# Altium PCB as_x31.PcbDoc (part 6 of 8) (continued)
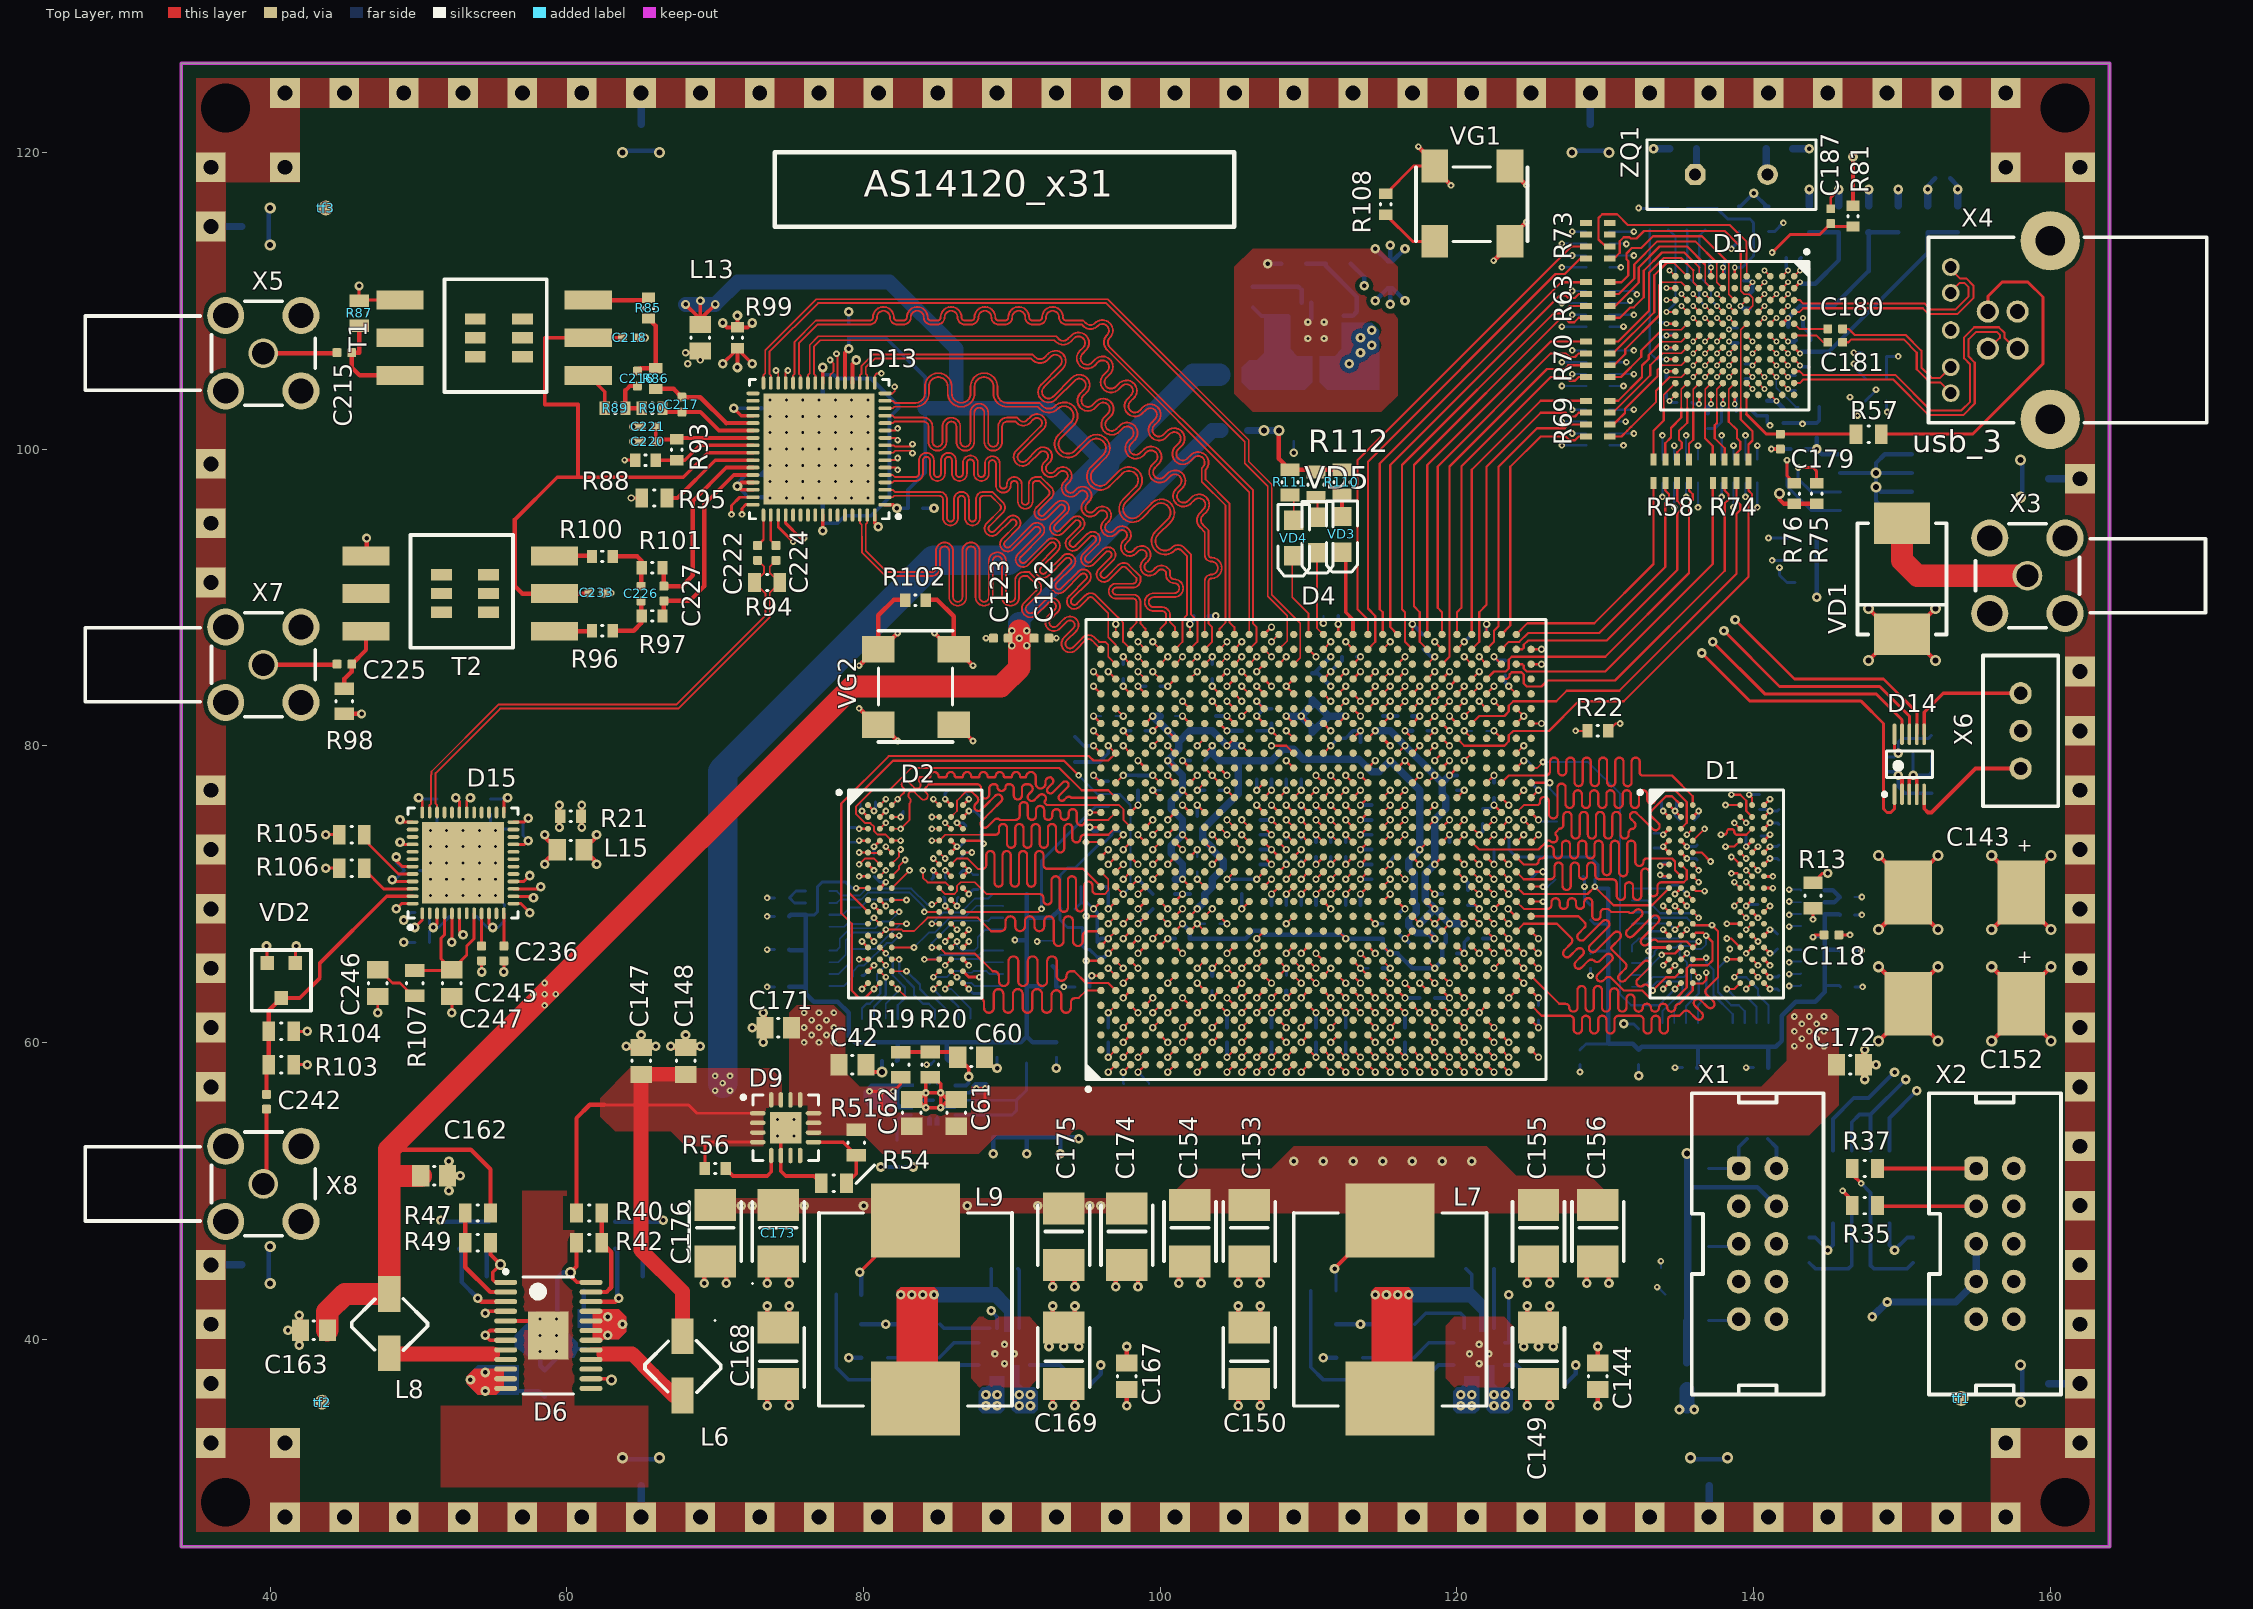
[diagram p0: Top Layer view]
## Nets (pads, with @x,y where several pads share a name; then routed paths per layer and width w, separated by ;. In a path a pad name is that pad's centre, name@x,y a point inside that pad or via, vN(x,y) a via of type N, cw(c..) or ccw(c..) an arc to the next point about the centre after c; other vN are vias at no path point) (continued)
DDR1_DQ2: D2.F2 D4.C11 | length 24.5
  Top Layer w0.125: v2(79.7,72) 80.1,72.4 80.7,72.4 D2.F2@81.1,72
  Top Layer w0.15: v1(97.5,68) D4.C11@98,68.5
  int_1 w0.125: v2(79.7,72) 80.442,71.258 cw(c80.221,71.037) 80.442,70.816 80.177,70.551 ccw(c80.398,70.33) 80.177,70.109 ccw(c80.398,70.33) 80.619,70.109 80.884,70.374 cw(c81.105,70.153) 81.326,70.374 81.547,70.153 ; 87.462,70.437 86.737,70.437 86.4,70.1 82.588,70.1 82.588,70.09 cw(c82.275,70.09) 82.275,69.777 cw(c82.275,70.09) 81.963,70.09 81.963,70.1 81.6,70.1 ; 93.9,68.8 94.7,68 95.5,68 96,68.5 97,68.5 v1(97.5,68) ; 81.547,70.153 81.6,70.1 ; 81.547,70.153 81.6,70.1
  int_1 w0.15: 87.462,70.437 88,69.9
  int_1 w0.2: 88,69.9 92.8,69.9 93.9,68.8
DDR1_DQ3: D2.F8 D4.A13 | length 26
  Top Layer w0.125: D2.F8@85.9,72 86.288,72.388 87.012,72.388 87.7,71.7 88,71.7
  Top Layer w0.15: 88,71.7 ccw(c88,71.975) 88.275,71.975 88.275,72.625 cw(c88.55,72.625) 88.55,72.9 cw(c88.55,72.625) 88.825,72.625 88.825,70.775 ccw(c89.1,70.775) 89.1,70.5 ccw(c89.1,70.775) 89.375,70.775 89.375,72.625 cw(c89.65,72.625) 89.65,72.9 cw(c89.65,72.625) 89.925,72.625 89.925,70.775 ccw(c90.2,70.775) 90.2,70.5 ccw(c90.2,70.775) 90.475,70.775 90.475,72.625 cw(c90.75,72.625) 90.75,72.9 cw(c90.75,72.625) 91.025,72.625 91.025,70.775 ccw(c91.3,70.775) 91.3,70.5 ccw(c91.3,70.775) 91.575,70.775 91.575,72.625 cw(c91.85,72.625) 91.85,72.9 cw(c91.85,72.625) 92.125,72.625 92.125,71.975 ccw(c92.4,71.975) 92.4,71.7 94.8,71.7 D4.A13@96,70.5
DDR1_DQ4: D2.H3 D4.D17 | length 24.8
  Top Layer w0.125: D2.H3@81.9,70.4 v2(83.1,71.6)
  Top Layer w0.15: D4.D17@99,74.5 v1(99.5,75)
  int_1 w0.125: v2(83.1,71.6) 83.575,72.075 83.575,75.975 83.6,76
  int_1 w0.15: 83.6,76 85.4,77.8 ; 97,76.8 98.3,75.5 99,75.5 v1(99.5,75)
  int_1 w0.2: 85.4,77.8 92.6,77.8 93.6,76.8 97,76.8
DDR1_DQ5: D2.H8 D4.E17 | length 26.8
  Top Layer w0.125: v2(84,71.6) 84,71.1 84.313,70.787 85.513,70.787 D2.H8@85.9,70.4
  Top Layer w0.15: v1(99.5,74) D4.E17@100,74.5
  int_1 w0.125: 83.837,75.139 83.837,74.859 ccw(c83.934,74.859) 83.934,74.762 cw(c83.934,74.5) 84.196,74.5 cw(c83.934,74.5) 83.934,74.237 ccw(c83.934,74.141) 83.837,74.141 83.837,73.818 ccw(c83.943,73.818) 83.943,73.712 cw(c83.943,73.45) 84.205,73.45 cw(c83.943,73.45) 83.943,73.187 ccw(c83.943,73.082) 83.837,73.082 83.837,72.163 84,72 v2(84,71.6)
  int_1 w0.15: 83.837,75.139 84.324,75.625 84.501,75.625 ccw(c84.501,75.723) 84.599,75.723 cw(c84.874,75.723) 84.874,75.998 cw(c84.874,75.723) 85.149,75.723 85.149,75.495 ccw(c85.424,75.495) 85.424,75.22 ccw(c85.424,75.495) 85.699,75.495 85.699,75.999 86.6,76.9 87.3,76.9 87.9,76.3 ; 94,76 95,75 97.864,75 98.314,74.55 98.725,74.55 98.95,74.325 98.95,74.175 99.125,74 v1(99.5,74)
  int_1 w0.2: 87.9,76.3 88.2,76 94,76
DDR1_DQ6: D2.G2 D4.D12 | length 24.2
  Top Layer w0.125: D2.G2@81.1,71.2 v2(81.5,71.6)
  Top Layer w0.15: v1(98.5,69) D4.D12@99,69.5
  int_1 w0.125: v2(81.5,71.6) 82.675,70.425 86.125,70.425 86.5,70.8
  int_1 w0.15: 86.5,70.8 87.6,70.8 88.1,70.3 ; 96.7,69.5 97.2,69 97.5,69 98,68.5 99,68.5 ccw(c99,68.7) 99.2,68.7 cw(c99.6,68.7) 99.6,69.1 ccw(c99.6,69.5) 100,69.5 ccw(c99.5,69.5) 99.5,70 ccw(c99.5,69.5) 99,69.5 v1(98.5,69)
  int_1 w0.2: 88.1,70.3 93.2,70.3 94,69.5 96.7,69.5
DDR1_DQ7: D2.H7 D4.A14 | length 25
  Top Layer w0.125: D2.H7@85.1,70.4 85.5,70 86.1,70 86.3,70.2 86.3,70.548 86.552,70.8 87.5,70.8 88.3,70 ; D4.A14@96,71.5 96.5,71 96.5,70.25 96.25,70
  Top Layer w0.15: 88.3,70 91.85,70 cw(c91.85,69.725) 92.125,69.725 92.125,69.574 ccw(c92.4,69.574) 92.4,69.299 ccw(c92.4,69.574) 92.675,69.574 92.675,70.925 cw(c92.95,70.925) 92.95,71.2 cw(c92.95,70.925) 93.225,70.925 93.225,69.075 ccw(c93.5,69.075) 93.5,68.8 ccw(c93.5,69.075) 93.775,69.075 93.775,70.925 cw(c94.05,70.925) 94.05,71.2 cw(c94.05,70.925) 94.325,70.925 94.325,69.105 ccw(c94.6,69.105) 94.6,68.83 ccw(c94.6,69.105) 94.875,69.105 94.875,70.572 cw(c95.15,70.572) 95.15,70.847 cw(c95.15,70.572) 95.425,70.572 95.425,70.275 ccw(c95.7,70.275) 95.7,70 96.25,70
DDR1_DQ8: D2.D7 D4.B17 | length 26.2
  Top Layer w0.125: v2(84.6,73.6) D2.D7@85.1,73.6 85.5,74 88.083,74 88.071,74.013 ; 96.5,74 D4.B17@97,74.5
  Top Layer w0.15: 88.083,74 88.9,74 ccw(c88.9,74.225) 89.125,74.225 89.125,74.45 cw(c89.4,74.45) 89.4,74.725 cw(c89.4,74.45) 89.675,74.45 89.675,73.393 ccw(c89.95,73.393) 89.95,73.118 ccw(c89.95,73.393) 90.225,73.393 90.225,74.45 cw(c90.5,74.45) 90.5,74.725 cw(c90.5,74.45) 90.775,74.45 90.775,73.393 ccw(c91.05,73.393) 91.05,73.118 ccw(c91.05,73.393) 91.325,73.393 91.325,74.45 cw(c91.6,74.45) 91.6,74.725 cw(c91.6,74.45) 91.875,74.45 91.875,73.393 ccw(c92.15,73.393) 92.15,73.118 ccw(c92.15,73.393) 92.425,73.393 92.425,74.45 cw(c92.7,74.45) 92.7,74.725 cw(c92.7,74.45) 92.975,74.45 92.975,73.075 ccw(c93.25,73.075) 93.25,72.8 ccw(c93.25,73.075) 93.525,73.075 93.525,74.45 cw(c93.8,74.45) 93.8,74.725 cw(c93.8,74.45) 94.075,74.45 94.075,73.76 ccw(c94.35,73.76) 94.35,73.485 ccw(c94.35,73.76) 94.625,73.76 cw(c94.865,73.76) 94.865,74 96.5,74
DDR1_DQ9: D2.C3 D4.C17 | length 26.2
  Top Layer w0.125: D2.C3@81.9,74.4 v2(82.5,74.4) 83.1,75 83.1,76.1 ccw(c82.914,76.286) 83.1,76.471 83.097,76.474 cw(c83.283,76.66) 83.097,76.845 cw(c83.283,76.66) 83.468,76.845 83.878,76.436 ccw(c84.063,76.621) 84.249,76.436 ccw(c84.063,76.621) 84.249,76.807 84.214,76.842 cw(c84.399,77.028) 84.214,77.214 84.4,77.4 ; 97.225,76 97.525,75.7 97.525,74.975 D4.C17@98,74.5
  Top Layer w0.15: 84.4,77.4 87.65,77.4 cw(c87.65,77.125) 87.925,77.125 87.925,76.721 ccw(c88.2,76.721) 88.2,76.446 ccw(c88.2,76.721) 88.475,76.721 88.475,77.125 cw(c88.75,77.125) 88.75,77.4 88.85,77.4 cw(c88.85,77.225) 89.025,77.225 ccw(c89.3,77.225) 89.3,76.95 ccw(c89.3,77.225) 89.575,77.225 cw(c89.75,77.225) 89.75,77.4 89.85,77.4 cw(c89.85,77.125) 90.125,77.125 90.125,76.646 ccw(c90.4,76.646) 90.4,76.371 ccw(c90.4,76.646) 90.675,76.646 90.675,77.125 cw(c90.95,77.125) 90.95,77.4 91.1,77.4 cw(c91.1,77.1) 91.4,77.1 cw(c91.145,77.1) 91.325,76.92 91.147,76.742 ; 91.147,76.742 ccw(c91.342,76.547) 91.147,76.353 ccw(c91.342,76.547) 91.536,76.353 91.767,76.583 91.828,76.644 cw(c92.022,76.45) 92.217,76.644 cw(c92.022,76.45) 92.217,76.256 ccw(c92.278,76.194) 92.217,76.133 92.35,76 97.225,76
DDR1_DQ10: D2.C8 D4.A16 | length 23.6
  Top Layer w0.125: v2(85.5,74.8) D2.C8@85.9,74.4 ; v2(95,73.5) D4.A16@96,73.5
  int_1 w0.15: v2(85.5,74.8) ccw(c85.5,75.041) 85.671,74.871 85.9,75.1 ccw(c85.659,75.341) 86,75.341 86,75.717 cw(c86.441,75.717) 86.129,76.029 cw(c86.3,75.859) 86.3,76.1 cw(c86.3,75.859) 86.471,76.029 86.5,76 cw(c86.259,75.759) 86.6,75.759 86.6,75.441 ccw(c86.941,75.441) 86.7,75.2 86.729,75.171 cw(c86.559,75) 86.8,75 86.8,74.8 ccw(c86.981,74.981) 86.981,74.725 87.025,74.725
  int_1 w0.2: 87.025,74.725 87.1,74.725 ccw(c87.1,75.025) 87.4,75.025 87.4,75.152 cw(c87.7,75.152) 87.7,75.452 cw(c87.7,75.152) 88,75.152 88,75.025 ccw(c88.3,75.025) 88.3,74.725 ccw(c88.3,75.025) 88.6,75.025 88.6,75.376 cw(c88.9,75.376) 88.9,75.676 cw(c88.9,75.376) 89.2,75.376 89.2,75.025 ccw(c89.5,75.025) 89.5,74.725 ccw(c89.5,75.025) 89.8,75.025 89.8,75.375 cw(c90.1,75.375) 90.1,75.675 cw(c90.1,75.375) 90.4,75.375 90.4,75.025 ccw(c90.7,75.025) 90.7,74.725 ccw(c90.7,75.025) 91,75.025 91,75.375 cw(c91.3,75.375) 91.3,75.675 cw(c91.3,75.375) 91.6,75.375 91.6,75.025 ccw(c91.9,75.025) 91.9,74.725 ccw(c91.9,75.025) 92.2,75.025 92.2,75.375 cw(c92.5,75.375) 92.5,75.675 cw(c92.5,75.375) 92.8,75.375 92.8,75.2 ccw(c93,75.2) 93,75 93.3,75 ccw(c93.3,75.2) 93.5,75.2 cw(c93.7,75.2) 93.7,75.4 93.9,75.4 cw(c93.9,75.2) 94.1,75.2 94.1,75.1 cw(c93.9,75.1) 93.9,74.9 ccw(c93.9,74.5) 93.5,74.5 93.5,74.3 ccw(c93.7,74.3) 93.7,74.1 ccw(c93.7,74.3) 93.9,74.3 cw(c94.1,74.3) 94.1,74.5 94.6,74.5 cw(c94.6,74.325) 94.775,74.325 94.775,74.2 cw(c94.575,74.2) 94.575,74 94.4,74 ccw(c94.4,73.8) 94.2,73.8 94.2,73.7 ccw(c94.4,73.7) 94.4,73.5 v2(95,73.5)
DDR1_DQ11: D2.C2 D4.C14 | length 23.8
  Top Layer w0.125: D2.C2@81.1,74.4 v2(81.5,74.8)
  Top Layer w0.15: v1(97.5,71) D4.C14@98,71.5
  int_1 w0.125: v2(81.5,74.8) 81.5,74.7 cw(c81.1,74.7) 81.1,74.3 80.4,74.3 ccw(c80.4,74.011) 80.112,74.011 80.112,74 ccw(c80.412,74) 80.412,73.7 81.6,73.7 cw(c81.6,73.3) 82,73.3 82,72.8 82.3,72.5 82.3,72.1 82.687,71.713 82.687,71.313 82.813,71.188 85.788,71.188 86,71.4 86.318,71.4 86.93,72.012 87.012,72.012 87.013,72.013 87.287,72.013 87.8,71.5
  int_1 w0.15: 94,71 94.5,70.5 97,70.5 v1(97.5,71)
  int_1 w0.2: 87.8,71.5 88.1,71.5 88.6,71 94,71
DDR1_DQ12: D2.A7 D4.F18 | length 24.4
  Top Layer w0.125: v2(84.7,76.4) D2.A7@85.1,76
  Top Layer w0.15: v1(100.5,75) D4.F18@101,75.5
  int_1 w0.125: v2(84.7,76.4) 85.7,77.4 87.6,77.4 88.6,76.4 ; 96.925,76.4 98.225,75.1 98.7,75.1 99.275,74.525 100.025,74.525 v1(100.5,75)
  int_1 w0.2: 88.6,76.4 89.1,76.4 ccw(c89.1,76.75) 89.45,76.75 89.45,77.05 cw(c89.8,77.05) 89.8,77.4 cw(c89.8,77.05) 90.15,77.05 90.15,76.75 ccw(c90.5,76.75) 90.5,76.4 ccw(c90.5,76.75) 90.85,76.75 90.85,77.05 cw(c91.2,77.05) 91.2,77.4 cw(c91.2,77.05) 91.55,77.05 91.55,76.75 ccw(c91.9,76.75) 91.9,76.4 92.03,76.4 ccw(c92.03,76.62) 92.25,76.62 cw(c92.6,76.62) 92.6,76.97 cw(c92.6,76.62) 92.95,76.62 ccw(c93.17,76.62) 93.17,76.4 94.634,76.4 cw(c94.634,76.184) 94.85,76.184 ccw(c95.1,76.184) 95.1,75.934 ccw(c95.1,76.184) 95.35,76.184 cw(c95.566,76.184) 95.566,76.4 95.6,76.4 cw(c95.6,76.15) 95.85,76.15 95.85,75.65 ccw(c96.1,75.65) 96.1,75.4 ccw(c96.1,75.65) 96.35,75.65 96.35,76.15 cw(c96.6,76.15) 96.6,76.4 96.925,76.4
DDR1_DQ13: D2.A2 D4.G18 | length 25.6
  Top Layer w0.125: D2.A2@81.1,76 v2(81.5,76.4)
  Top Layer w0.15: v1(101.5,76) D4.G18@102,75.5
  int_1 w0.15: v2(81.5,76.4) 81.8,76.7 ccw(c81.606,76.894) 81.8,77.089 81.34,77.549 cw(c81.535,77.743) 81.34,77.937 cw(c81.535,77.743) 81.729,77.937 82.189,77.478 ccw(c82.383,77.672) 82.578,77.478 ; 97.375,79.1 99,77.475 100.025,77.475 v1(101.5,76)
  int_1 w0.2: 82.578,77.478 84.2,79.1 97.375,79.1
DDR1_DQ14: D2.B8 D4.B18 | length 24.3
  Top Layer w0.125: D2.B8@85.9,75.2 86.3,75.6 86.3,76.3 86.9,76.9 87.3,76.9 ; 96.5,75 D4.B18@97,75.5
  Top Layer w0.15: 87.3,76.9 87.644,76.556 cw(c87.45,76.361) 87.644,76.167 87.548,76.07 ccw(c87.742,75.876) 87.548,75.681 ccw(c87.742,75.876) 87.937,75.681 88.228,75.972 88.882,76.626 cw(c89.076,76.432) 89.271,76.626 cw(c89.076,76.432) 89.271,76.237 88.617,75.583 87.963,74.929 ccw(c88.157,74.735) 87.963,74.54 ccw(c88.157,74.735) 88.351,74.54 88.811,75 cw(c89.006,74.806) 89.2,75 90.25,75 ccw(c90.25,75.275) 90.525,75.275 90.525,75.925 cw(c90.8,75.925) 90.8,76.2 cw(c90.8,75.925) 91.075,75.925 91.075,75.275 ccw(c91.35,75.275) 91.35,75 ccw(c91.35,75.275) 91.625,75.275 91.625,75.672 cw(c91.9,75.672) 91.9,75.947 cw(c91.9,75.672) 92.175,75.672 92.175,75.275 ccw(c92.45,75.275) 92.45,75 ccw(c92.45,75.275) 92.725,75.275 92.725,75.45 cw(c93,75.45) 93,75.725 cw(c93,75.45) 93.275,75.45 93.275,75.275 ccw(c93.55,75.275) 93.55,75 ccw(c93.55,75.275) 93.825,75.275 93.825,75.45 cw(c94.1,75.45) 94.1,75.725 cw(c94.1,75.45) 94.375,75.45 94.375,74.907 ccw(c94.65,74.907) 94.65,74.632 ccw(c94.65,74.907) 94.925,74.907 cw(c95.018,74.907) 95.018,75 96.5,75
DDR1_DQ15: D2.A3 D4.A19 | length 24.2
  Top Layer w0.125: D2.A3@81.9,76 v2(82.3,76.4) 82.686,76.786 ccw(c82.501,76.972) 82.686,77.158 82.646,77.198 cw(c82.832,77.383) 82.646,77.569 cw(c82.832,77.383) 83.017,77.569 83.243,77.343 83.4,77.186 ccw(c83.586,77.372) 83.771,77.186 ccw(c83.586,77.372) 83.771,77.557 cw(c83.928,77.714) 83.771,77.871
  Top Layer w0.15: 83.771,77.871 84.424,77.871 ccw(c84.424,77.951) 84.504,77.951 cw(c84.779,77.951) 84.779,78.226 cw(c84.779,77.951) 85.054,77.951 ccw(c85.133,77.951) 85.133,77.871 85.524,77.871 ccw(c85.524,77.951) 85.604,77.951 cw(c85.879,77.951) 85.879,78.226 cw(c85.879,77.951) 86.154,77.951 ccw(c86.233,77.951) 86.233,77.871 86.624,77.871 ccw(c86.624,77.951) 86.704,77.951 cw(c86.979,77.951) 86.979,78.226 cw(c86.979,77.951) 87.254,77.951 ccw(c87.333,77.951) 87.333,77.871 87.724,77.871 ccw(c87.724,77.951) 87.804,77.951 cw(c88.079,77.951) 88.079,78.226 cw(c88.079,77.951) 88.354,77.951 ccw(c88.433,77.951) 88.433,77.871 88.824,77.871 ccw(c88.824,77.951) 88.904,77.951 cw(c89.179,77.951) 89.179,78.226 cw(c89.179,77.951) 89.454,77.951 ccw(c89.533,77.951) 89.533,77.871 89.925,77.871 ccw(c89.925,77.95) 90.004,77.95 cw(c90.279,77.95) 90.279,78.225 cw(c90.279,77.95) 90.554,77.95 ccw(c90.632,77.95) 90.632,77.871 90.929,77.871 ccw(c90.929,77.9) 90.957,77.9 cw(c91.282,77.9) 91.282,78.225 cw(c91.282,77.9) 91.607,77.9 91.607,77.442 ccw(c91.932,77.442) 91.932,77.117 ccw(c91.932,77.442) 92.257,77.442 92.257,77.546 cw(c92.582,77.546) 92.582,77.871 92.629,77.871 92.727,77.773 cw(c92.568,77.614) 92.727,77.455 92.437,77.164 ccw(c92.596,77.005) 92.397,77.111 ccw(c92.596,77.005) 92.437,76.846 ccw(c92.596,77.005) 92.702,76.807 ccw(c92.596,77.005) 92.755,76.846 93.435,77.526 cw(c93.594,77.367) 93.753,77.526 cw(c93.594,77.367) 93.753,77.208 93.214,76.669 ccw(c93.373,76.51) 93.149,76.5 ccw(c93.373,76.51) 93.214,76.351 ccw(c93.373,76.51) 93.533,76.351 93.682,76.5 cw(c93.841,76.341) 94,76.5 D4.A19@96,76.5
DDR1_DQS0_N: D2.G3 D4.J17 | length 30.4
  Top Layer w0.125: D2.G3@81.9,71.2 82.4,71.7 82.4,71.9 v2(82.8,72.3) ; D4.J17@104,74.5 v1(104.5,74)
  int_1 w0.13: v2(82.8,72.3) 82.8,72.607 83.3,73.107 83.3,76.4 85.2,78.3 92.95,78.3 94.05,77.2 98.125,77.2 99.325,76 100.25,76 101.75,74.5 104.25,74.5 104.5,74.25 v1(104.5,74)
DDR1_DQS0_P: D2.F3 D4.K17 | length 29.7
  Top Layer w0.125: D2.F3@81.9,72 81.9,72.032 82.4,72.532 82.4,72.9 v2(82.5,73) ; v1(104.5,75) D4.K17@105,74.5
  int_1 w0.13: v2(82.5,73) 82.97,73.47 82.97,76.537 85.063,78.63 93.087,78.63 94.187,77.53 98.262,77.53 98.562,77.23 98.57,77.23 99.47,76.33 100.42,76.33 101.92,74.83 104.33,74.83 v1(104.5,75)
DDR1_DQS1_N: D2.B7 D4.L16 | length 28.6
  Top Layer w0.125: v2(84.6,75.2) D2.B7@85.1,75.2 ; v1(105.5,74) D4.L16@106,73.5
  int_1 w0.13: v2(84.6,75.2) 85.09,74.71 85.09,74.503 85.493,74.1 87.4,74.1 87.7,74.4 89.42,74.4 cw(c89.42,74.165) 89.655,74.165 ccw(c89.82,74.165) 89.82,74 ccw(c89.82,74.165) 89.985,74.165 cw(c90.22,74.165) 90.22,74.4 90.74,74.4 cw(c90.74,74.165) 90.975,74.165 ccw(c91.14,74.165) 91.14,74 ccw(c91.14,74.165) 91.305,74.165 cw(c91.54,74.165) 91.54,74.4 92.817,74.4 94.217,73 95.233,73 95.6,73.367 95.6,73.837 96.293,74.53 97.592,74.53 98,74.122 98,73.7 98.57,73.13 99.008,73.13 99.318,73.44 99.682,73.44 99.992,73.13 100.57,73.13 101.27,72.43 102.287,72.43 103.217,71.5 103.75,71.5 104.17,71.92 104.17,72.972 104.863,73.665 105.165,73.665 v1(105.5,74)
DDR1_DQS1_P: D2.C7 D4.K16 | length 28.5
  Top Layer w0.125: v2(84.6,74.4) D2.C7@85.1,74.4 ; D4.K16@105,73.5 v1(105.5,73)
  int_1 w0.13: v2(84.6,74.4) 85.2,73.8 87.5,73.8 87.77,74.07 89.334,74.07 ccw(c89.82,74.165) 89.82,73.67 ccw(c89.82,74.165) 90.306,74.07 90.654,74.07 ccw(c91.14,74.165) 91.14,73.67 ccw(c91.14,74.165) 91.626,74.07 92.68,74.07 94.08,72.67 95.37,72.67 95.93,73.23 95.93,73.7 96.43,74.2 96.86,74.2 97.06,74 97.06,73.818 97.318,73.56 97.673,73.56 98.433,72.8 99.078,72.8 99.318,72.56 99.682,72.56 99.922,72.8 100.433,72.8 101.133,72.1 102.15,72.1 103.08,71.17 103.887,71.17 104.5,71.783 cw(c104.717,71.783) 104.717,72 104.75,72 ccw(c104.75,72.25) 105,72.25 ccw(c104.75,72.25) 104.75,72.5 cw(c104.75,72.75) 104.5,72.75 104.5,72.835 105,73.335 105.165,73.335 v1(105.5,73)
DDR1_ODT: D2.K1 D4.B13 | length 36.1
  Top Layer w0.15: D2.K1@80.3,68.8 79,70.1 79,76 81.988,78.988 93.175,78.988 ; 93.175,78.987 93.513,78.987 v2(94.5,78) ; D4.B13@97,70.5 v1(97.5,70)
  Bottom Layer w0.15: v2(94.5,78) 95.75,76.75 97.25,76.75 98,76 98,70.5 v1(97.5,70)
DDR1_RAS: D2.J3 D4.B8 R2.7 | length 29.9
  Top Layer w0.125: D2.J3@81.9,69.6 v2(82.9,69.6)
  Top Layer w0.15: D4.B8@97,65.5 v1(97.5,65)
  int_1 w0.15: v2(82.9,69.6) 82.574,69.6 81.975,69.001 81.975,68.624 82.475,68.124 82.475,67.824 82.9,67.399 82.9,66.1 84,65 84.8,65 86.9,62.9 ; 96.764,62.9 97.369,63.506 97.642,63.506 97.95,63.814 97.95,64.55 v1(97.5,65)
  int_1 w0.2: 86.9,62.9 96.764,62.9
  Bottom Layer w0.125: 78.6,68.6 79.1,69.1 79.8,69.1 80.325,69.625 v2@82.875,69.625
  Bottom Layer w0.15: R2.7@77.7,68.6 78.6,68.6 ; v2@82.875,69.625 v2(82.9,69.6)
DDR1_RESET_N: D2.T2 D4.B22 R18.2 | length 39.3
  Top Layer w0.15: D2.T2@81.1,64 v2(80.7,63.6) 80.1,63 79.7,63 79.2,63.5 79.2,68 78.5,68.7 78.5,76.1 81.7,79.3 95.2,79.3 95.5,79 96.5,79 D4.B22@97,79.5 v1(96.5,80)
  Bottom Layer w0.25: R18.2@94.25,78.9 95.9,78.9 96.5,79.5 v1(96.5,80)
DDR1_WE: D2.L3 D4.C7 R5.7 | length 25.9
  Top Layer w0.125: D2.L3@81.9,68 v2(82.9,68)
  Top Layer w0.15: v1(97.5,64) D4.C7@98,64.5
  int_1 w0.15: v2(82.9,68) 84.175,66.725 84.175,66.224 84.599,65.8 85.7,65.8 88.25,63.25 ; 96.45,63.25 97.2,64 v1(97.5,64)
  int_1 w0.2: 88.25,63.25 96.45,63.25
  Bottom Layer w0.125: R5.7@77.7,64.6 78.3,64.6 79.1,65.4 79.1,66.1 79.3,66.3 80.797,66.3 81.672,67.175 81.676,67.175 82.501,68 v2(82.9,68)
FPGA_CONF_DONE: D4.L8 D10.D3 R31.2 | length 85.9
  Top Layer w0.125: D10.D3@140.329,110.046 v5(140.729,110.446)
  Top Layer w0.15: v1(105.5,65) D4.L8@106,65.5
  int_2 w0.125: v5(140.729,110.446) 141.129,110.046 143.729,110.046
  int_2 w0.15: 143.729,110.046 144.204,110.046 145,109.25 145,106.5
  int_2 w0.2: v1(105.5,65) 105.5,67 108,69.5 108,82.25 109,83.25 109,84.75 109,91.75 110.5,93.25 140.25,93.25 v2(141,94) 145,98 145,106.5
  Bottom Layer w0.2: v2(141,94) R31.2@142.8,94
FPGA_DATA0: D4.AG5 D10.D5 | length 90.2
  Top Layer w0.125: D10.D5@140.329,108.446 v5(140.729,108.846)
  Top Layer w0.15: v1(121.5,62) D4.AG5@122,62.5
  int_2 w0.2: v1(121.5,62) 121,62.5 120.328,62.5 120,62.828 120,63.25 119.725,63.525 119.303,63.525 119.025,63.803 119.025,64.225 118.75,64.5 118,64.5 116,66.5 115,66.5 112,69.5 112,78.5 111,79.5 111,81.5 112,82.5 112,87.5 111.5,88 111.5,90.25 112.5,91.25 142,91.25 147,96.25 v2(147,102.25)
  int_1 w0.125: v5(140.729,108.846) 140.729,108.546 141.529,107.746 143.004,107.746
  int_1 w0.15: 143.004,107.746 146,104.75 146,103.25 v2(147,102.25)
FPGA_DCLK: D4.T7 D10.D4 R32.2 | length 84.1
  Top Layer w0.125: D10.D4@140.329,109.246 v5(140.729,109.646)
  Top Layer w0.15: D4.T7@111,64.5 v1(111.5,65)
  int_2 w0.2: v1(111.5,65) 111,65.5 111,78.5 110.5,79 110.5,85.25 111,85.75 111,86.25 110.5,86.75 110.5,90.25 112,91.75 141.5,91.75 v2(141.75,92) 146.5,96.75 v2(146.5,103.5)
  int_1 w0.125: v5(140.729,109.646) 141.129,109.246 141.129,108.646 141.629,108.146 143.329,108.146
  int_1 w0.15: 143.329,108.146 143.354,108.146 146.5,105 v2(146.5,103.5)
  Bottom Layer w0.2: v2(141.75,92) 141.75,91.5 142.25,91 R32.2@142.8,91
FPGA_NCONFIG: D4.C5 D10.C1 R30.2 | length 97.8
  Top Layer w0.125: v5(140.729,112.046) D10.C1@141.129,111.646
  Top Layer w0.15: D4.C5@98,62.5 v1(98.5,62)
  int_2 w0.125: v5(140.729,112.046) 141.129,111.646 143.729,111.646
  int_2 w0.15: 143.729,111.646 144.104,111.646 146,109.75 146,107.5
  int_2 w0.2: v1(98.5,62) 99,61.5 101,61.5 103,63.5 106.25,63.5 108,65.25 108,66.5 110,68.5 110,90.75 111.5,92.25 141,92.25 v2(141.25,92.5) 146,97.25 146,107.5
  Bottom Layer w0.2: v2(141.25,92.5) R30.2@142.8,92.5
FPGA_NSTATUS: D4.K7 D10.D2 | length 87.6
  Top Layer w0.125: D10.D2@140.329,110.846 v5(140.729,111.246)
  Top Layer w0.15: v1(104.5,65) D4.K7@105,64.5
  int_2 w0.125: v5(140.729,111.246) 141.129,110.846 143.729,110.846
  int_2 w0.15: 143.729,110.846 144.154,110.846 145.5,109.5 145.5,107
  int_2 w0.2: v1(104.5,65) 105,64.5 106.75,64.5 107.25,65 107.25,67.75 109,69.5 109,82.5 109.5,83 109.5,91.25 111,92.75 140.5,92.75 145.5,97.75 145.5,107
NetC1_2: C1.2 R1.1 R1.2 | length 2.3
  Bottom Layer w0.3: R1.2@144.8,69.45 145.45,69.45 C1.2@145.8,69.8 145.35,70.25 R1.1@144.8,70.25
NetC2_2: C2.2 R2.3 R2.4 | length 2.5
  Bottom Layer w0.2: R2.3@76.1,69.4 75.35,69.4 C2.2@75,69.75 75.45,70.2 R2.4@76.1,70.2
NetC43_2: C43.2 D3.6 | length 2.5
  Bottom Layer w0.2: C43.2@82.25,53.4 82.25,54.75 82.6,55.1 D3.6@83.225,55.1
NetC60_2: C60.2 D3.1 R19.1 R20.2 | length 7
  Top Layer w0.25: R19.1@82.5,59.35 R20.2@84.5,59.35 86,59.35 C60.2@86.35,59 87.1,58.25 v3(87.1,57.7)
  Bottom Layer w0.25: D3.1@86.175,57.1 86.9,57.1 87.1,57.3 v3(87.1,57.7)
NetC151_1: C151.1 D7.13 | length 4
  Bottom Layer w0.25: D7.13@122.5,40.725 C151.1@122.5,44.75
NetC151_2: C151.2 D7.11 D7.12 L7.1 | length 1.9
  Bottom Layer w0.25: C151.2@120.6,44.75 121,44.35 121,43
  other v3: 114.5,43 115.25,43 116,43 116.75,43
NetC157_2: C157.2 R43.1 | length 1.9
  Bottom Layer w0.3: R43.1@65.1,44.25 65.1,45.95 C157.2@65.25,46.1
NetC158_2: C158.2 D6.22 R43.2 | length 5.4
  Top Layer w0.3: D6.22@61.625,42.525 63.275,42.525 v3(63.5,42.75)
  Bottom Layer w0.3: C158.2@63.25,46.1 63.4,45.95 R43.2@63.4,44.25 63.4,42.85 v3(63.5,42.75)
NetC161_2: C161.2 D7.9 | length 4.5
  Bottom Layer w0.25: C161.2@117.15,41 117.9,41.75 120.25,41.75 120.5,41.5 D7.9@120.5,40.725
NetC164_2: C164.2 R48.1 | length 1.9
  Bottom Layer w0.3: R48.1@54.6,44.25 54.6,45.95 C164.2@54.75,46.1
NetC165_2: C165.2 D6.3 R48.2 | length 5.8
  Top Layer w0.3: v3(54,42.75) 54.225,42.525 D6.3@55.875,42.525
  Bottom Layer w0.3: C165.2@52.75,46.1 52.9,45.95 R48.2@52.9,44.25 52.9,43.85 v3(54,42.75)
NetC166_2: C166.2 R46.2 | length 1.8
  Bottom Layer w0.25: C166.2@113.65,38.75 R46.2@115.4,38.75
NetC170_1: C170.1 D8.13 | length 4.1
  Bottom Layer w0.25: C170.1@90.4,44.75 90.5,44.65 D8.13@90.5,40.725
NetC170_2: C170.2 D8.11 D8.12 L9.1 | length 1.8
  Bottom Layer w0.25: C170.2@88.6,44.75 88.6,43.15 88.75,43
  other v3: 82.5,43 83.25,43 84,43 84.75,43
NetC177_2: C177.2 D8.9 | length 3.5
  Bottom Layer w0.25: C177.2@85.15,41 85.425,40.725 D8.9@88.5,40.725
NetC178_2: C178.2 R55.2 | length 1.8
  Bottom Layer w0.25: C178.2@81.65,38.75 R55.2@83.4,38.75
NetC179_1: C179.1 D10.E11 R57.1 | length 9.2
  Top Layer w0.125: 139.529,102.746 D10.E11@139.529,103.646
  Top Layer w0.15: 139.529,102.346 139.529,102.746
  Top Layer w0.2: 139.529,102.346 140.875,101 R57.1@146.9,101
NetC180_2: C180.2 D10.A5 | length 2.4
  Top Layer w0.125: D10.A5@142.729,108.446 143.075,108.1 C180.2@145,108.1
NetC181_2: C181.2 D10.A6 | length 2.5
  Top Layer w0.125: D10.A6@142.729,107.646 144.254,107.646 144.7,107.2 C181.2@145,107.2
NetC182_2: C182.2 D10.C7 ZQ1.1 | length 17.5
  Top Layer w0.125: D10.C7@141.129,106.846 v5(141.529,106.446)
  int_1 w0.125: 139.5,113.5 139.5,110.975 139.929,110.546 139.929,108.346 141.129,107.146 141.129,106.846 v5(141.529,106.446)
  int_1 w0.15: ZQ1.1@136.06,118.5 137.5,118.5 139.5,116.5 139.5,113.5
  Bottom Layer w0.5: ZQ1.1@136.06,118.5 136.15,118.59 C182.2@136.15,120.25
NetC183_2: C183.2 D10.C6 ZQ1.2 | length 14.4
  Top Layer w0.125: D10.C6@141.129,107.646 v5(141.529,107.246)
  int_1 w0.125: 140.829,113.829 140.329,113.329 140.329,108.446 v5(141.529,107.246)
  int_1 w0.15: 140.829,113.829 140.829,118.389 ZQ1.2@140.94,118.5
  Bottom Layer w0.5: C183.2@140.85,120.25 140.85,118.59 ZQ1.2@140.94,118.5
NetC187_2: C187.2 D10.C5 R81.1 | length 11.5
  Top Layer w0.125: D10.C5@141.129,108.446 v5(141.529,108.846)
  Top Layer w0.2: v2(141.25,113.25) 142.45,114.45 144.45,114.45 C187.2@145.2,115.2 145.4,115 R81.1@146.7,115
  int_1 w0.125: v2(141.25,113.25) 141.129,113.129 141.129,110.046 141.529,109.646 v5(141.529,108.846)
NetC215_1: C215.1 X5.1 | length 5
  Top Layer w0.3: X5.1@39.54,106.46 44.46,106.46 C215.1@44.5,106.5
NetC215_2: C215.2 R87.2 T1.4 | length 6.8
  Top Layer w0.3: R87.2@46,108.3 46,106.5 C215.2@45.5,106.5 45.5,105.5 46.04,104.96 T1.4@48.745,104.96
NetC216_1: C216.1 R89.1 R90.2 | length 3.2
  Top Layer w0.3: C216.1@64.75,104.25 64.25,104.25 63.95,103.95 R89.1@63.95,102.75 R90.2@65.05,102.75
NetC216_2: C216.2 R85.1 R86.2 | length 4.9
  Top Layer w0.3: C216.2@64.75,105.25 64.95,105.45 R86.2@66,105.45 66,108.3 R85.1@65.5,108.8
NetC217_1: C217.1 D13.38 R90.1 | length 6.4
  Top Layer w0.25: R90.1@66.7,102.5 C217.1@67.75,102.5 69,102.5 70.25,101.25 D13.38@72.55,101.25
NetC217_2: C217.2 D13.37 R86.1 | length 7.5
  Top Layer w0.25: 70.75,101.75 D13.37@72.55,101.75
  Top Layer w0.3: R86.1@66,104.05 67.2,104.05 C217.2@67.75,103.5 69,103.5 70.75,101.75
NetC219_2: C219.2 D14.3 D14.4 R91.1 R92.1 | length 6.7
  Top Layer w0.25: D14.3@150.5,76.725 150.5,77.75 v3(150.75,78) 151,77.75 D14.4@151,76.725
  Bottom Layer w0.2: v3(150.75,78) C219.2@150.75,79.5
  Bottom Layer w0.25: v3(150.75,78) 151.8,78 R91.1@152,78.2 R92.1@152,79.3
NetC222_2: C222.2 D13.49 | length 2.2
  Top Layer w0.15: C222.2@72.85,93.5 73.25,93.9 D13.49@73.25,95.55
NetC224_2: C224.2 D13.50 | length 2.2
  Top Layer w0.15: D13.50@73.75,95.55 73.75,93.85 C224.2@74.1,93.5
NetC225_1: C225.1 X7.1 | length 4.9
  Top Layer w0.3: X7.1@39.54,85.46 C225.1@44.46,85.46
NetC225_2: C225.2 R98.2 T2.4 | length 4.5
  Top Layer w0.3: R98.2@45,83.85 45,84.5 45.5,85 C225.2@45.5,85.5 46.46,86.46 T2.4@46.46,87.72
NetC226_1: C226.1 R100.1 R101.2 | length 3.7
  Top Layer w0.3: R100.1@63.09,92.76 64.74,92.76 65.05,92.45 R101.2@65.05,92 ; C226.1@65,90.75 R101.2@65,91.95
NetC226_2: C226.2 R96.1 R97.2 | length 3.6
  Top Layer w0.3: R96.1@63.09,87.76 64.51,87.76 65,88.25 65,88.7 R97.2@65.05,88.75 ; R97.2@65,88.8 C226.2@65,89.75
NetC227_1: C227.1 D13.43 R101.1 | length 13.5
  Top Layer w0.25: 68.5,96.5 70.75,98.75 D13.43@72.55,98.75
  Top Layer w0.3: R101.1@66.45,92 66.54,91.91 C227.1@66.54,90.76 67.76,90.76 68.5,91.5 68.5,96.5
NetC227_2: C227.2 D13.44 R97.1 | length 13.7
  Top Layer w0.25: 69.25,96.25 71.25,98.25 D13.44@72.55,98.25
  Top Layer w0.3: R97.1@66.54,88.84 C227.2@66.54,89.76 68.26,89.76 69.25,90.75 69.25,96.25
NetC236_2: C236.2 D15.12 | length 2.2
  Top Layer w0.2: C236.2@55.75,66.5 D15.12@55.75,68.7
NetC237_2: C237.2 C238.2 C239.2 C240.2 C241.2 D15.10 D15.21 D15.24 D15.25 D15.30 D15.31 D15.36 D15.37 D15.40 D15.43 D15.45 L15.1 L16.2 | length 23.8
  Top Layer w0.2: v3(48.218,70.968) 48.337,70.85 D15.45@49.6,70.85 ; v3@48.5,72.25 48.9,71.85 D15.43@49.6,71.85 ; v3(48.75,73.5) 48.9,73.35 D15.40@49.6,73.35 ; v3(48.75,75) 48.9,74.85 D15.37@49.6,74.85 ; v3(50,76.5) 50.25,76.25 D15.36@50.25,75.5 ; v3(52.5,76.5) 52.75,76.25 D15.31@52.75,75.5 ; D15.30@53.25,75.5 53.25,76.25 v3(53.5,76.5) ; D15.10@54.75,68.7 54.75,68 v3(55,67.75) ; D15.25@55.75,75.5 55.75,76.25 v3(56,76.5) ; D15.21@56.4,73.35 57.15,73.35 v3(57.4,73.6) ; D15.24@56.4,74.85 57.15,74.85 v3(57.4,75.1)
  Top Layer w0.3: v3(58.5,72) 58.5,72.15 L15.1@59.35,73 58.5,73.85 v3(58.5,74)
  Bottom Layer w0.2: v3(48.218,70.968) 48.418,70.968 C239.2@49.05,71.6 48.5,72.15 v3(48.5,72.5) ; v3(50,76.5) 50.1,76.4 C238.2@51.25,76.4 ; L16.2@53.9,68.5 54.65,67.75 v3(55,67.75) 55.35,67.75 C240.2@55.8,68.2 ; C237.2@54.85,76.4 55.9,76.4 v3(56,76.5) ; v3(57.4,73.6) 57.05,73.95 57.05,74.75 v3(57.4,75.1)
NetC242_1: C242.1 X8.1 | length 5.1
  Top Layer w0.3: X8.1@39.54,50.46 39.75,50.67 C242.1@39.75,55.5
NetC243_2: C243.2 C244.2 D15.3 L16.1 | length 4.7
  Top Layer w0.2: v3(51,67.75) 51.25,68 D15.3@51.25,68.7
  Bottom Layer w0.2: C243.2@50.75,66.75 50.75,67.5 v3(51,67.75) ; C244.2@50.75,68.75 50.75,68 v3(51,67.75) ; L16.1@52.1,68.5 51.35,67.75 v3(51,67.75)
NetC245_2: C245.2 D15.9 | length 2.2
  Top Layer w0.2: C245.2@54.25,66.5 D15.9@54.25,68.7
NetC246_2: C246.2 R107.2 | length 3.2
  Top Layer w0.2: C246.2@47.25,64.9 47.35,64.9 48.25,64 48.75,64 49.6,63.15 R107.2@49.75,63.15
NetC247_2: C247.2 D15.4 D15.8 R107.1 | length 11.2
  Top Layer w0.2: R107.1@49.75,64.85 52.2,64.85 C247.2@52.25,64.9 ; D15.4@51.75,68.7 51.75,67.25 51.5,67 51.5,65.65 C247.2@52.25,64.9 ; D15.8@53.75,68.7 53.75,67 53.25,66.5 53.25,65.9 C247.2@52.25,64.9
NetD1_L8: D1.L8 R13.1 | length 6.9
  Top Layer w0.15: v2(139.5,67.6) D1.L8@139.9,68
  Top Layer w0.2: v2(144,68.3) R13.1@144,69.05
  int_1 w0.15: v2(139.5,67.6) 139.8,67.9 140.5,67.9 140.8,68.2 141.3,68.2 142.2,67.3 143,67.3 v2(144,68.3)
NetD2_L8: D2.L8 R14.1 | length 7.7
  Top Layer w0.125: D2.L8@85.9,68 v2(86.3,67.6)
  int_1 w0.125: v2(86.3,67.6) 86.518,67.6 86.93,68.012 87.27,68.012 87.282,68 87.3,68 87.8,67.5 91,67.5 v2(91.7,66.8)
  Bottom Layer w0.125: v2(91.7,66.8) 91.75,66.85 R14.1@92.75,66.85